# Altium PCB AMS_Master_A1.PcbDoc (part 2 of 2)
Units mm, origin at the board's own origin, x right, y up, seen from the top; angles counter-clockwise.
Board outline 126.75 x 132.97 mm, 4 copper layers (Top Layer, Int1 (GND), Int2 (PWR), Bottom Layer), stack 1.369 mm thick; 198 components, 135 nets, 657 pads, 334 vias.
Unrouted connection lines stored in the file: 1.
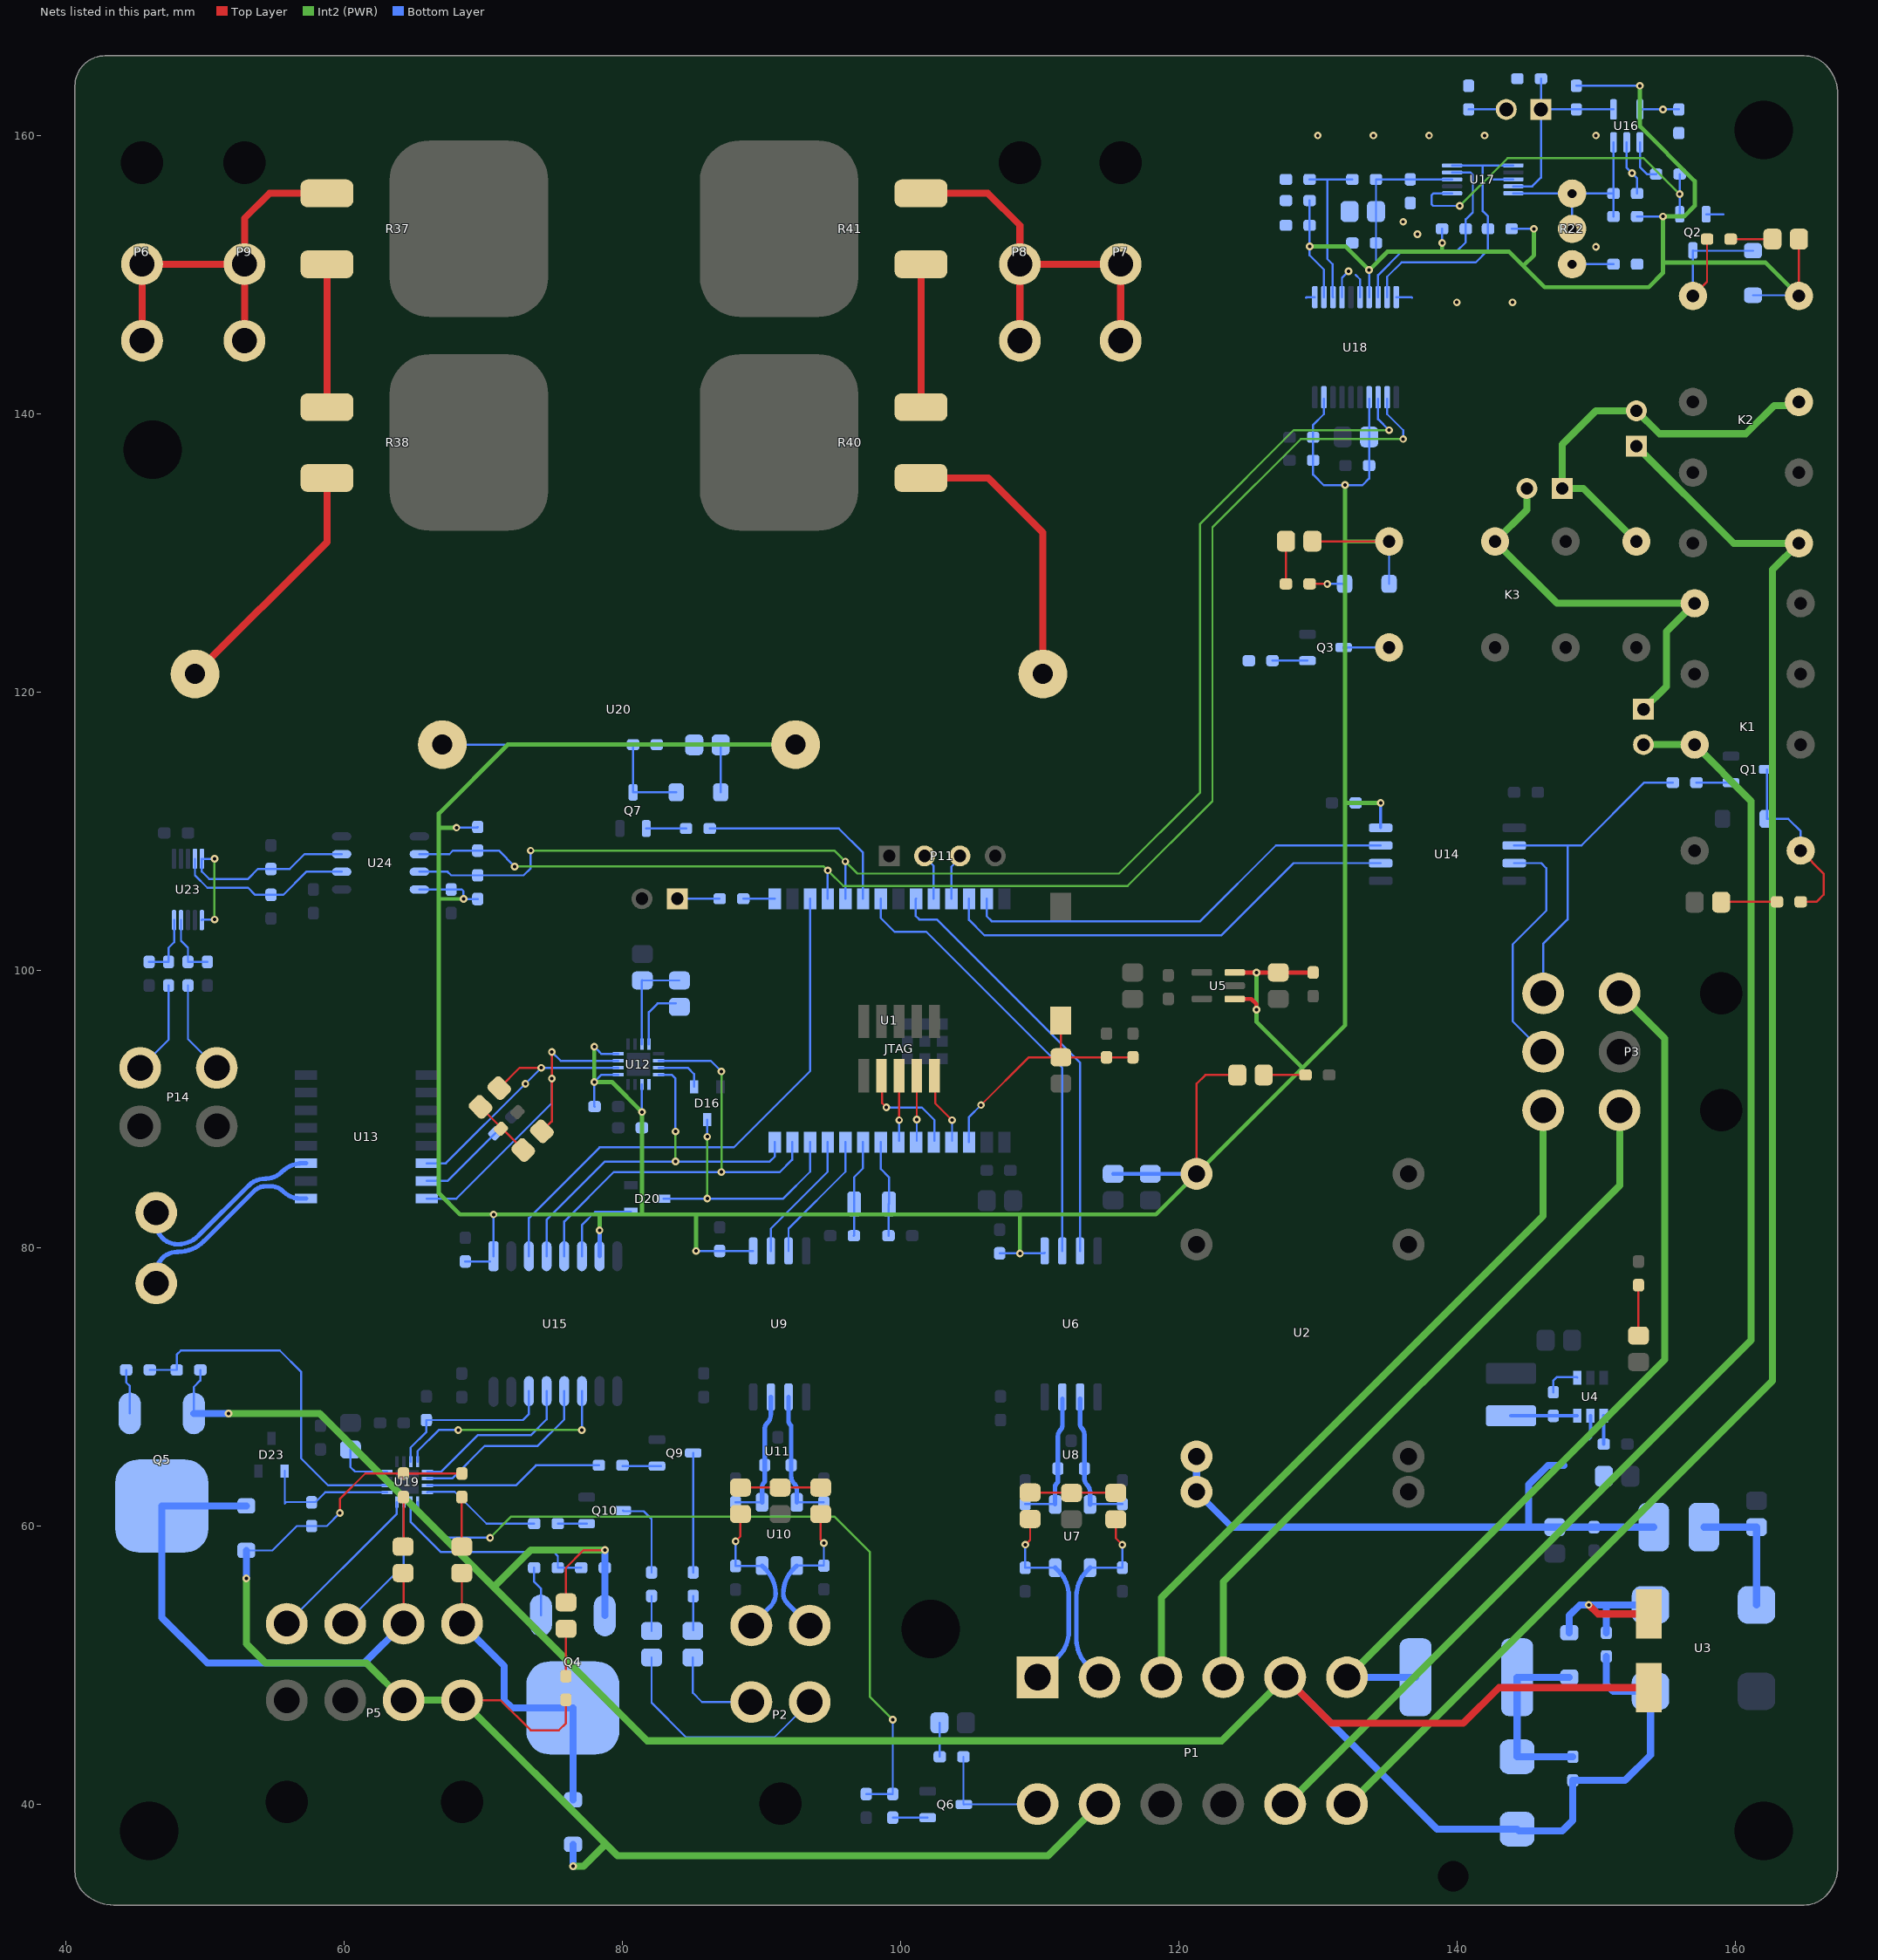
[diagram p4: the nets of this part, all layers, seen from the top]

## Via types
v1: diameter 0.55, hole 0.25, Top Layer to Bottom Layer, 334 vias

## Nets (pads, with @x,y where several pads share a name; then routed paths per layer and width w, separated by ;. In a path a pad name is that pad's centre, name@x,y a point inside that pad or via, vN(x,y) a via of type N, cw(c..) or ccw(c..) an arc to the next point about the centre after c; other vN are vias at no path point) (continued)
"5V (ISO)": C1.2 C2.2 C12.2 C13.2 C19.2 C26.2 C32.2 C33.2 C37.2 C38.2 C48.2 C49.2 C50.2 C51.2 C54.2 D2.A D9.A D10.K D17.A D18.K K3.16 R55.2 R56.2 U2.14 U5.1 U5.3 U6.1 U9.1 U12.6 U12.9 U12.12 U14.8 U15.1 U15.7 U18.4 U18.9 U20.2 U24.8 | length 291.9
  Top Layer w0.152: U2.14@121.285,85.344 121.285,91.821 121.92,92.456 D2.A@124.211,92.456 ; D9.A@129.613,130.836 129.639,130.81 K3.16@135.128,130.81
  Top Layer w0.305: U5.1@124.028,97.922 125.217,97.922 125.574,97.565 125.574,97.171 v1(125.591,97.155) ; U5.3@124.028,99.822 v1(125.591,99.822) C12.2@127.153,99.822 C13.2@129.667,99.822
  Int2 (PWR) w0.152: 66.802,105.156 66.851,105.107
  Int2 (PWR) w0.254: 66.851,105.107 v1(68.58,105.107)
  Int2 (PWR) w0.305: v1(68.072,110.236) 66.802,110.236 ; v1(77.978,94.488) v1(77.978,91.948) 79.248,91.948 v1(81.407,89.789) 81.407,82.423 ; v1(78.359,81.28) 78.359,82.423 ; v1(85.301,79.799) v1@85.344,79.842 ; v1@85.301,79.842 85.301,82.423 ; U20.2@92.456,116.205 71.755,116.205 66.802,111.252 66.802,110.236 ; v1(108.585,79.629) 108.585,82.423 ; v1(125.591,99.822) v1(125.591,97.155) 125.591,96.278 128.778,93.091 ; v1(131.953,134.874) 131.953,130.81 ; v1@134.493,112.014 131.953,112.014 ; K3.16@135.128,130.81 131.953,130.81 ; 66.802,110.236 66.802,105.156 66.802,83.947 68.326,82.423 v1(70.739,82.423) 78.359,82.423 ; 78.359,82.423 81.407,82.423 ; 81.407,82.423 85.301,82.423 ; 85.301,82.423 108.585,82.423 ; 108.585,82.423 118.364,82.423 U2.14@121.285,85.344 131.953,96.012 131.953,112.014 ; 131.953,112.014 131.953,130.81
  Bottom Layer w0.152: U24.8@65.405,105.791 C54.2@67.691,105.791 68.453,105.791 68.58,105.664 v1(68.58,105.107) R55.2@69.596,105.107 ; v1(68.072,110.236) 69.547,110.236 R56.2@69.596,110.285 ; C38.2@68.707,79.045 U15.1@70.485,79.045 ; U15.1@70.739,79.426 v1(70.739,82.423) ; v1(77.978,94.488) 78.359,94.107 78.359,94.096 78.481,93.974 79.697,93.974 U12.12@79.703,93.968 ; C32.2@78.003,90.182 77.978,90.207 v1(77.978,91.948) 78.498,92.468 U12.9@79.703,92.468 ; C33.2@81.403,88.658 U12.6@81.403,91.768 ; v1(85.301,79.799) C26.2@86.995,79.799 U9.1@89.408,79.799 ; D18.K@87.071,112.776 D17.A@87.071,116.049 ; D17.A@87.071,116.205 U20.2@92.456,116.205 ; C19.2@107.124,79.629 v1(108.585,79.629) 110.32,79.629 U6.1@110.363,79.672 ; U18.9@130.44,141.053 130.44,139.965 129.667,139.192 C50.2@129.667,138.303 C51.2@129.667,136.652 129.667,135.622 130.429,134.86 133.209,134.86 133.69,135.341 C48.2@133.69,136.271 C49.2@133.69,138.329 U18.4@133.69,141.053 ; D10.K@135.128,127.762 K3.16@135.128,130.81
  Bottom Layer w0.203: C37.2@132.715,112.014 v1(134.519,112.014) U14.8@134.519,110.224
  Bottom Layer w0.254: C2.2@115.29,85.344 C1.2@117.957,85.344 U2.14@120.904,85.344
  Bottom Layer w0.305: U15.7@78.359,79.426 v1(78.359,81.28)
AIR+: D12.A D15.K P5.4 Q5.D | length 37.7
  Top Layer w0.152: D15.K@64.236,56.642 64.271,56.607 P5.4@64.271,52.998
  Bottom Layer w0.508: D12.A@52.959,61.468 Q5.D@46.89,61.468 46.89,53.44 50.165,50.165 61.438,50.165 P5.4@64.271,52.998
AIR-: D11.A D14.K P5.2 Q4.D | length 22.2
  Top Layer w0.152: P5.2@68.462,53.007 D14.K@68.462,56.633
  Top Layer w0.508: D14.K@68.453,56.642 D14.K@68.462,56.633 ; P5.2@68.462,53.007 P5.2@68.471,52.998
  Bottom Layer w0.508: P5.2@68.471,52.998 71.501,49.968 71.501,47.498 72.055,46.944 Q4.D@76.44,46.944 76.454,46.93 D11.A@76.454,40.335
AIR_PWR_HEADER: D11.K D12.K P1.11 P5.1 P5.3 R28.2 R29.2 R43.2 R44.2 | length 109.2
  Top Layer w0.152: v1(59.69,60.96) 59.69,61.976 61.517,63.803 R29.2@64.262,63.803 R28.2@68.458,63.803 ; P5.1@68.471,47.498 71.247,47.498 73.406,45.339 75.438,45.339 75.946,45.847 R43.2@75.946,47.524 R43.2@75.92,47.498
  Int2 (PWR) w0.508: v1(52.959,56.261) 52.959,51.562 54.356,50.165 61.604,50.165 P5.3@64.271,47.498 P5.1@68.471,47.498 78.812,37.157 ; v1(76.454,35.56) 77.216,35.56 78.812,37.157 ; P1.11@114.305,40.029 110.598,36.322 79.647,36.322 78.812,37.157
  Bottom Layer w0.152: D12.K@52.959,58.268 54.839,58.268 56.593,60.022 R44.2@57.658,60.022 58.752,60.022 v1(59.69,60.96)
  Bottom Layer w0.508: v1(52.959,56.261) D12.K@52.959,58.268 ; v1(76.454,35.56) D11.K@76.454,37.135
BOOT0: BOOT.1 R2.2 | length 3
  Bottom Layer w0.152: BOOT.1@83.947,105.124 R2.2@86.995,105.124
CAN1_N: C22.2 P1.2 R5.1 U7.2 | length 14.8
  Top Layer w0.152: R5.1@115.469,60.506 115.469,59.156 v1(115.951,58.674)
  Bottom Layer w0.152: U7.2@113.625,57.023 C22.2@115.951,57.023 v1(115.951,58.674)
  Bottom Layer w0.33: U7.2@113.625,57.023 113.394,56.792 ccw(c115.19,54.996) 112.65,54.996 112.65,51.856 ccw(c115.19,51.856) 113.394,50.06 P1.2@114.305,49.149
CAN1_P: C21.2 P1.1 R4.2 U7.1 | length 14.8
  Top Layer w0.152: v1(108.979,58.687) 109.321,59.029 R4.2@109.321,60.53
  Bottom Layer w0.152: v1(108.979,58.687) 108.972,58.68 108.972,57.029 C21.2@108.966,57.023 U7.1@111.125,57.023
  Bottom Layer w0.33: P1.1@109.855,49.149 111.356,50.65 ccw(c109.56,52.446) 112.1,52.446 112.1,54.996 ccw(c109.56,54.996) 111.356,56.792 U7.1@111.125,57.023
CAN1_RX: U1.23 U6.3 | length 31
  Bottom Layer w0.152: U1.23@101.117,105.124 101.092,105.099 101.092,103.886 101.346,103.632 102.616,103.632 112.903,93.345 U6.3@112.903,79.799
CAN1_TX: U1.21 U6.2 | length 32.1
  Bottom Layer w0.152: U1.21@98.577,105.124 98.577,103.734 99.568,102.743 101.854,102.743 111.633,92.964 U6.2@111.633,79.799
CAN1F_N: C23.2 U6.6 U7.3 U8.1 | length 10.1
  Bottom Layer w0.152: U7.3@113.625,61.573 113.647,61.595 C23.2@115.951,61.595
  Bottom Layer w0.33: U6.6@112.903,69.172 112.903,67.363 ccw(c113.337,67.363) 113.03,67.056 cw(c112.576,66.602) 113.218,66.602 U8.1@113.218,64.151 113.218,63.458 ccw(c113.877,63.458) 113.411,62.992 cw(c112.894,62.475) 113.625,62.475 U7.3@113.625,61.573
CAN1F_P: C24.2 U6.7 U7.4 U8.2 | length 9.9
  Bottom Layer w0.152: C24.2@108.966,61.595 U7.4@111.103,61.595
  Bottom Layer w0.33: U7.4@111.103,61.595 111.103,62.759 cw(c111.612,62.759) 111.252,63.119 ccw(c111.093,63.278) 111.318,63.278 U8.2@111.318,64.151 111.318,66.475 cw(c111.96,66.475) 111.506,66.929 ccw(c111.199,67.236) 111.633,67.236 U6.7@111.633,69.172
CAN2_N: C29.2 P2.2 R7.1 U10.2 | length 11.1
  Top Layer w0.152: R7.1@94.26,60.887 94.26,59.029 v1(94.488,58.801)
  Bottom Layer w0.152: U10.2@92.543,57.172 C29.2@94.488,57.172 v1(94.488,58.801)
  Bottom Layer w0.33: U10.2@92.543,57.172 92.312,56.941 ccw(c94.108,55.145) 91.568,55.145 ccw(c92.461,55.145) 91.83,54.513 P2.2@93.472,52.871
CAN2_P: C28.2 P2.4 R6.2 U10.1 | length 11.1
  Top Layer w0.152: v1(88.138,58.928) 88.493,59.283 R6.2@88.493,60.887
  Bottom Layer w0.152: v1(88.138,58.928) C28.2@88.138,57.15 90.021,57.15 U10.1@90.043,57.172
  Bottom Layer w0.33: P2.4@89.272,52.871 90.645,54.244 ccw(c89.744,55.145) 91.018,55.145 ccw(c88.478,55.145) 90.274,56.941 U10.1@90.043,57.172
CAN2_RX: U1.10 U9.3 | length 9.5
  Bottom Layer w0.152: U9.3@91.948,79.799 91.948,81.407 96.037,85.496 U1.10@96.037,87.624
CAN2_TX: U1.11 U9.2 | length 9.5
  Bottom Layer w0.152: U9.2@90.678,79.799 90.678,81.407 94.767,85.496 U1.11@94.767,87.624
CAN2F_N: C30.2 U9.6 U10.3 U11.1 | length 9.7
  Bottom Layer w0.152: U10.3@92.543,61.722 C30.2@94.488,61.722
  Bottom Layer w0.33: U9.6@91.948,69.299 91.948,67.617 ccw(c92.382,67.617) 92.075,67.31 cw(c91.928,67.163) 92.136,67.163 U11.1@92.136,64.405 92.136,63.585 ccw(c92.795,63.585) 92.329,63.119 cw(c91.812,62.602) 92.543,62.602 U10.3@92.543,61.722
CAN2F_P: C31.2 U9.7 U10.4 U11.2 | length 9.7
  Bottom Layer w0.152: C31.2@88.138,61.722 U10.4@90.043,61.722
  Bottom Layer w0.33: U10.4@90.043,61.722 90.043,62.812 cw(c90.477,62.812) 90.17,63.119 ccw(c90.011,63.278) 90.236,63.278 U11.2@90.236,64.405 90.236,66.983 cw(c90.878,66.983) 90.424,67.437 ccw(c89.811,68.05) 90.678,68.05 U9.7@90.678,69.299
Charge_En: D22.A P2.1 | length 16.7
  Bottom Layer w0.152: D22.A@82.101,50.576 82.101,47.312 84.582,44.831 90.932,44.831 P2.1@93.472,47.371
Charge_Ready: D21.A P2.3 | length 7
  Bottom Layer w0.152: D21.A@85.064,50.576 85.064,48.032 85.725,47.371 P2.3@89.272,47.371
"CHASSIS REF": P1.4 P3.5 | length 52.6
  Int2 (PWR) w0.508: P1.4@123.205,49.149 123.205,56.022 151.704,84.521 P3.5@151.704,89.916
CLK_ADC: U15.13 U19.13 | length 12.2
  Bottom Layer w0.152: U19.13@65.978,63.943 66.991,63.943 69.596,66.548 73.406,66.548 74.549,67.691 U15.13@74.549,69.724
CS_ADC: R19.1 U15.14 U19.11 | length 12.7
  Bottom Layer w0.152: U19.11@64.778,64.643 64.778,65.667 65.913,66.802 R19.1@65.913,67.642 72.849,67.642 73.279,68.072 U15.14@73.279,69.724
dIP_AIR+_FB: P5.8 U19.4 | length 12
  Bottom Layer w0.152: P5.8@55.871,52.998 63.778,60.905 U19.4@63.778,61.743
dIP_AIR-_FB: P5.6 U19.3 | length 10.5
  Bottom Layer w0.152: P5.6@60.071,52.998 64.278,57.205 U19.3@64.278,61.743
dIP_IMD_DATA: U1.26 U14.6 | length 33.7
  Bottom Layer w0.152: U1.26@104.927,105.124 104.927,103.607 106.045,102.489 123.063,102.489 128.258,107.684 U14.6@134.519,107.684
dIP_IMD_OK: U1.27 U14.7 | length 32
  Bottom Layer w0.152: U1.27@106.197,105.124 106.197,103.861 106.553,103.505 121.539,103.505 126.988,108.954 U14.7@134.519,108.954
dIP_SPI_MISO: D16.K D20.K U1.12 | length 19.1
  Int2 (PWR) w0.152: v1(86.106,83.566) v1(86.106,88.011)
  Bottom Layer w0.152: D20.K@82.963,83.566 v1(86.106,83.566) 91.567,83.566 93.497,85.496 U1.12@93.497,87.624 ; v1(86.106,88.011) D16.K@86.106,89.249
"DISCHARGE DISABLE": P1.12 Q6.D R30.2 | length 8.8
  Bottom Layer w0.152: R30.2@104.521,43.434 104.521,40.035 Q6.D@104.551,40.005 104.563,40.017 109.843,40.017 P1.12@109.855,40.029
dOP_AIR+: R32.1 R35.1 U19.6 | length 25.9
  Bottom Layer w0.152: R32.1@46.023,71.247 R35.1@47.957,71.247 47.957,72.341 48.26,72.644 55.372,72.644 56.896,71.12 56.896,64.897 58.85,62.943 U19.6@63.078,62.943
dOP_AIR-: R31.1 R34.1 U19.2 | length 15.6
  Bottom Layer w0.152: U19.2@64.778,61.743 64.77,61.735 64.77,60.325 66.929,58.166 75.057,58.166 75.36,57.863 R31.1@75.36,57.023 R34.1@77.04,57.023
dOP_CHARGE_EN: R52.1 U19.16 | length 8.6
  Bottom Layer w0.152: U19.16@65.978,62.443 66.019,62.484 67.945,62.484 70.231,60.198 R52.1@73.66,60.198
dOP_CHARGE_RDY: R50.1 U19.15 | length 12.9
  Bottom Layer w0.152: U19.15@65.978,62.943 72.341,62.943 73.787,64.389 R50.1@78.31,64.389
"dOP_DISCHARGE DISABLE": R33.1 R36.1 U19.1 | length 55.7
  Int2 (PWR) w0.152: v1(70.485,59.182) 72.009,60.706 95.25,60.706 97.79,58.166 97.79,47.752 v1(99.441,46.101)
  Bottom Layer w0.152: U19.1@65.278,61.743 65.278,60.96 67.056,59.182 v1(70.485,59.182) ; R36.1@97.536,40.755 R33.1@99.441,40.755 v1(99.441,46.101)
dOP_isoSPI_nSS: U12.5
dOP_PRECHARGE_RLY: R42.1 U1.20 | length 15.1
  Bottom Layer w0.152: R42.1@86.282,110.176 95.564,110.176 97.307,108.433 U1.20@97.307,105.124
dOP_SPI_MOSI: U1.13 U12.2 U15.5 | length 34.1
  Int2 (PWR) w0.152: v1(87.122,85.471) v1(87.122,92.71)
  Bottom Layer w0.152: U15.5@75.819,79.426 75.819,81.915 79.375,85.471 91.313,85.471 92.202,86.36 92.202,87.599 U1.13@92.227,87.624 ; U12.2@82.603,93.468 86.364,93.468 v1(87.122,92.71)
dOP_SPI_nSS: U1.17 U15.3 | length 39.7
  Bottom Layer w0.152: U15.3@73.279,79.426 73.279,82.169 78.359,87.249 88.011,87.249 93.497,92.735 U1.17@93.497,105.124
dOP_SPI_SCK: U1.14 U12.4 U15.4 | length 29.2
  Int2 (PWR) w0.152: v1(83.82,86.233) v1(83.82,88.392)
  Bottom Layer w0.152: U15.4@74.549,79.426 74.549,82.042 78.74,86.233 v1(83.82,86.233) 90.601,86.233 90.957,86.589 U1.14@90.957,87.624 ; U12.4@82.603,92.468 83.554,92.468 83.82,92.202 v1(83.82,88.392)
GL_IN: IMD.2 K1.13 P1.8 | length 95.6
  Int2 (PWR) w0.508: P1.8@127.63,39.854 161.163,73.387 161.163,112.141 K1.13@157.099,116.205 IMD.2@153.416,116.205
GL_IN_2: AMS.2 IMD.1 K1.9 K3.13 | length 30.1
  Int2 (PWR) w0.508: AMS.2@145.034,134.62 145.034,133.096 K3.13@142.748,130.81 147.193,126.365 K1.9@157.099,126.365 155.067,124.333 155.067,120.396 IMD.1@153.416,118.745
GL_OUT: K2.9 P1.7 PDOC.1 | length 118.9
  Int2 (PWR) w0.508: P1.7@132.08,39.854 162.687,70.461 162.687,128.778 K2.9@164.592,130.683 159.893,130.683 PDOC.1@152.908,137.668
GL_PDOC_IN: AMS.1 K2.13 K3.9 PDOC.2 | length 29.7
  Int2 (PWR) w0.508: K3.9@152.908,130.81 149.098,134.62 AMS.1@147.574,134.62 147.574,137.795 149.987,140.208 PDOC.2@152.908,140.208 154.559,138.557 160.782,138.557 162.814,140.589 164.338,140.589 K2.13@164.592,140.843
GLV+: F1.1 P1.6 P3.1 | length 64.9
  Int2 (PWR) w0.508: P1.6@132.105,49.149 154.94,71.984 154.94,95.08 P3.1@151.704,98.316
  Bottom Layer w0.508: P1.6@132.105,49.149 F1.1@137.033,49.149
GLV-: C6.1 C7.1 C8.1 D3.A D19.K P1.5 Q4.S Q5.S R34.2 R35.2 U3.4 | length 186.4
  Top Layer w0.152: D19.K@75.946,54.532 75.946,57.023 77.216,58.293 v1(78.74,58.293)
  Top Layer w0.508: P1.5@127.655,49.149 130.957,45.847 140.462,45.847 143.019,48.404 C8.1@153.797,48.404
  Int2 (PWR) w0.508: v1(51.689,68.118) 58.247,68.118 70.739,55.626 ; v1(78.74,58.293) 73.406,58.293 70.739,55.626 ; P1.5@127.655,49.149 123.083,44.577 81.788,44.577 70.739,55.626
  Bottom Layer w0.152: Q5.S@49.19,68.118 49.19,70.018 49.657,70.485 R35.2@49.657,71.247
  Bottom Layer w0.508: Q5.S@49.19,68.118 v1(51.689,68.118) ; Q4.S@78.74,53.594 R34.2@78.74,57.023 v1(78.74,58.293) ; P1.5@127.655,49.149 138.57,38.234 D3.A@144.333,38.234 144.467,38.1 147.574,38.1 148.336,38.862 C6.1@148.336,41.734 152.097,41.734 153.924,43.561 U3.4@153.924,48.136 151.254,48.136 150.749,48.641 C7.1@150.749,50.649
"GLV- REF": P1.3 P3.6 | length 52.1
  Int2 (PWR) w0.508: P1.3@118.755,49.149 118.755,54.874 146.204,82.323 P3.6@146.204,89.916
GND_PDOC: C39.1 C41.1 C42.1 C43.1 C44.2 C45.2 C46.1 C47.1 Q2.S R20.1 R23.1 R27.1 U16.2 U17.3 U18.11 U18.14 U18.16 U18.20 | length 12.3
  Bottom Layer w0.152: 129.159,148.336 129.203,148.38 U18.11@129.79,148.38 ; U18.14@131.74,148.38 131.74,149.774 v1(132.207,150.241) ; 132.715,149.987 133.04,149.662 U18.16@133.04,148.38 ; U18.20@135.64,148.38 136.735,148.38 136.779,148.336 ; 142.621,156.845 U17.3@144.059,156.845 ; U16.2@152.212,159.512 152.212,157.668 152.962,156.918 C42.1@152.962,155.829 ; Q2.S@157.922,154.335 159.161,154.335
  other v1: 140,148 144,148 150,152 137.16,152.908 136.144,153.797 152.587,157.293 130,160 134,160 138,160 142,160 150,160
H_REF: P14.4 R53.1 | length 6.8
  Bottom Layer w0.152: R53.1@48.768,98.884 48.768,95.035 P14.4@50.839,92.964
HIGH_REF: C52.2 R53.2 U23.4 | length 4.6
  Bottom Layer w0.152: U23.4@48.268,103.591 48.268,102.1 48.768,101.6 R53.2@48.768,100.584 C52.2@50.165,100.584
"HV Battery+": P7.1 P7.2 P8.1 P8.2 R41.2 | length 29.1
  Top Layer w0.508: R41.2@101.473,155.839 106.289,155.839 108.585,153.543 P8.1@108.585,150.749 ; P8.2@108.585,145.249 P8.1@108.585,150.749 ; P7.2@115.824,145.249 P7.1@115.824,150.749 P8.1@108.585,150.749
"HV MC+": P6.1 P6.2 P9.1 P9.2 R37.1 | length 28.3
  Top Layer w0.508: P6.2@45.466,145.249 P6.1@45.466,150.749 P9.1@52.832,150.749 ; P9.2@52.832,145.249 P9.1@52.832,150.749 ; R37.1@58.761,155.839 54.62,155.839 52.832,154.051 P9.1@52.832,150.749
I2C1_SCL: R56.1 U1.18 U18.2 U24.6 | length 102.1
  Int2 (PWR) w0.152: v1(72.263,107.442) 94.479,107.442 94.758,107.163 v1(94.767,107.163) 95.885,106.045 116.332,106.045 122.428,112.141 122.428,131.826 128.778,138.176 v1(136.144,138.176)
  Bottom Layer w0.152: U24.6@65.405,108.331 67.564,108.331 67.818,108.585 R56.1@69.596,108.585 71.12,108.585 v1(72.263,107.442) ; U1.18@94.767,105.124 v1(94.767,107.163) ; U18.2@134.99,141.053 134.99,139.965 136.144,138.811 v1(136.144,138.176)
I2C1_SDA: R55.1 U1.19 U18.3 U24.7 | length 101.7
  Int2 (PWR) w0.152: v1(73.406,108.585) 95.25,108.585 96.901,106.934 115.697,106.934 121.539,112.776 121.539,132.08 128.27,138.811 v1(135.128,138.811)
  Bottom Layer w0.152: U24.7@65.405,107.061 67.437,107.061 67.691,106.807 R55.1@69.596,106.807 72.898,106.807 73.406,107.315 v1(73.406,108.585) ; U1.19@96.037,105.124 v1(96.037,107.798) ; U18.3@134.34,141.053 134.34,139.599 v1(135.128,138.811)
"IMD Data": P3.4 U14.3 | length 17.6
  Bottom Layer w0.152: U14.3@144.119,107.684 146.062,107.684 146.431,107.315 146.431,104.267 144.018,101.854 144.018,96.302 P3.4@146.204,94.116
"IMD OK": P3.2 R13.1 U14.2 | length 24.6
  Bottom Layer w0.152: U14.2@144.119,108.954 147.955,108.954 ; P3.2@146.204,98.316 146.204,101.881 147.955,103.632 147.955,108.954 ; R13.1@155.526,113.477 153.482,113.477 148.959,108.954 147.955,108.954
ISO_SPI_N: P4.2 U13.1 | length 14.4
  Bottom Layer w0.33: P4.2@46.482,77.47 46.482,78.211 cw(c48.006,78.211) 48.006,79.735 48.048,79.735 ccw(c48.048,82.381) 49.919,80.51 53.516,84.107 cw(c54.356,83.267) 54.356,84.455 54.706,84.455 cw(c54.706,83.154) 55.626,84.074 ccw(c56.852,85.3) 56.852,83.566 U13.1@57.245,83.566
ISO_SPI_P: P4.1 U13.3 | length 14.5
  Bottom Layer w0.33: P4.1@46.482,82.55 46.482,81.809 ccw(c48.006,81.809) 48.006,80.285 48.048,80.285 ccw(c48.048,82.381) 49.53,80.899 53.127,84.496 cw(c54.356,83.267) 54.356,85.005 54.374,85.005 ccw(c54.374,86.596) 55.499,85.471 cw(c57.032,83.938) 57.032,86.106 U13.3@57.245,86.106
isoSPI_N: R11.1 U12.10 U13.14 | length 20.2
  Top Layer w0.152: R11.1@71.147,91.504 72.607,92.964 v1(74.168,92.964)
  Bottom Layer w0.152: U13.14@65.945,86.106 67.31,86.106 v1(73.025,91.821) v1(74.168,92.964) 74.17,92.966 79.701,92.966 U12.10@79.703,92.968
isoSPI_P: R10.2 U12.11 U13.16 | length 24.6
  Top Layer w0.152: R10.2@74.215,88.402 74.93,89.117 v1(74.93,92.202) v1(74.93,94.107)
  Bottom Layer w0.152: U13.16@65.945,83.566 68.072,83.566 74.93,90.424 v1(74.93,92.202) ; v1(74.93,94.107) 75.567,93.47 79.701,93.47 U12.11@79.703,93.468
L_REF: P14.3 R54.1 | length 6.8
  Bottom Layer w0.152: P14.3@45.339,92.964 47.371,94.996 R54.1@47.371,98.884
LOW_REF: C53.2 R54.2 U23.5 | length 4.6
  Bottom Layer w0.152: C53.2@45.974,100.584 R54.2@47.371,100.584 47.371,101.6 47.768,101.997 U23.5@47.768,103.591
MISO_ADC: U15.11 U19.12 | length 16
  Int2 (PWR) w0.152: v1(68.199,66.929) v1(77.089,66.929)
  Bottom Layer w0.152: U19.12@65.278,64.643 65.278,65.405 66.802,66.929 v1(68.199,66.929) ; v1(77.089,66.929) U15.11@77.089,69.724
MOSI_ADC: U15.12 U19.14 | length 13.6
  Bottom Layer w0.152: U19.14@65.978,63.443 67.761,63.443 70.104,65.786 73.914,65.786 75.819,67.691 U15.12@75.819,69.724
NetC3_2: C3.2 L1.2 U3.2 | length 9.4
  Bottom Layer w0.508: L1.2@157.756,59.944 C3.2@161.544,59.944 U3.2@161.544,54.356
NetC6_2: C6.2 D1.A D3.K F1.2 | length 13.5
  Bottom Layer w0.508: D1.A@148.082,49.149 F1.2@144.333,49.149 D3.K@144.333,43.434 C6.2@148.336,43.434
NetC10_1: C10.1 L2.2 U4.6 | length 4.8
  Bottom Layer w0.254: L2.2@143.891,67.945 C10.1@146.939,67.945 U4.6@148.656,67.945
NetC10_2: C10.2 U4.1 | length 2.7
  Bottom Layer w0.152: C10.2@146.939,69.645 146.939,70.485 147.193,70.739 148.612,70.739 U4.1@148.656,70.695
NetC20_2: C20.2 R4.1 R5.2 | length 6.2
  Top Layer w0.152: R4.1@109.321,62.43 109.333,62.418 115.457,62.418 R5.2@115.469,62.406
NetC27_2: C27.2 R6.1 R7.2 | length 5.8
  Top Layer w0.152: R6.1@88.493,62.787 C27.2@91.339,62.787 R7.2@94.26,62.787
NetC34_2: C34.2 R10.1 R11.2 | length 4.4
  Top Layer w0.152: R11.2@69.803,90.16 69.803,90.143 72.871,87.075 R10.1@72.871,87.058
NetC35_2: C35.2 U13.15 | length 6.9
  Bottom Layer w0.152: U13.15@65.945,84.836 67.437,84.836 71.247,88.646
NetC39_2: C39.2 P10.2 R18.1 U16.4 U17.4 | length 14.6
  Bottom Layer w0.152: U17.4@144.059,156.345 145.423,156.345 146.05,156.972 P10.2@146.05,161.874 ; C39.2@146.05,164.084 P10.2@146.05,161.874 ; U16.4@151.262,161.874 R18.1@148.59,161.874 P10.2@146.05,161.874
NetC42_2: C42.2 R21.1 R22.1 R22.2 U16.3 U17.5 | length 15.1
  Bottom Layer w0.152: U17.5@144.059,155.845 144.067,155.837 148.277,155.837 R22.1@148.285,155.829 ; R22.2@148.285,153.289 R22.1@148.285,155.829 ; R21.1@151.262,154.178 C42.2@151.262,155.829 ; U16.3@151.262,159.512 C42.2@151.262,155.829 ; R22.1@148.285,155.829 C42.2@151.262,155.829
NetC58_2: C58.2 U19.8 | length 4
  Bottom Layer w0.152: C58.2@60.452,65.532 60.452,64.262 60.771,63.943 U19.8@63.078,63.943
NetD2_K: D2.K R1.2 | length 3
  Top Layer w0.152: D2.K@126.165,92.456 R1.2@129.115,92.456
NetD4_K: D4.K R3.2 | length 3.6
  Top Layer w0.152: D4.K@153.061,73.716 R3.2@153.061,77.343
NetD5_K: D5.K R12.2 | length 4
  Top Layer w0.152: D5.K@158.999,104.876 159.025,104.902 R12.2@163.019,104.902
NetD6_A: D6.A K1.1 Q1.D R12.1 | length 13.5
  Top Layer w0.152: R12.1@164.719,104.902 165.862,104.902 166.37,105.41 166.37,106.934 K1.1@164.719,108.585
  Bottom Layer w0.152: Q1.D@162.306,114.427 D6.A@162.306,110.871 163.83,110.871 164.719,109.982 K1.1@164.719,108.585
NetD7_K: D7.K R15.2 | length 3
  Top Layer w0.152: R15.2@159.688,152.553 D7.K@162.692,152.553
NetD8_A: D8.A K2.1 Q2.D R15.1 | length 12.1
  Top Layer w0.152: K2.1@156.972,148.463 157.988,149.479 R15.1@157.988,152.553
  Bottom Layer w0.152: K2.1@156.972,148.463 Q2.D@156.972,151.735 156.993,151.714 D8.A@161.29,151.714
NetD9_K: D9.K R16.2 | length 3.1
  Top Layer w0.152: R16.2@127.713,127.762 D9.K@127.713,130.836
NetD10_A: D10.A K3.1 Q3.D R16.1 | length 10.4
  Top Layer w0.152: R16.1@129.413,127.762 v1(130.683,127.762)
  Bottom Layer w0.152: v1(130.683,127.762) D10.A@131.928,127.762 131.928,123.262 Q3.D@131.856,123.19 131.928,123.19 K3.1@135.128,123.19
NetD13_A: D13.A R30.1 | length 2.4
  Bottom Layer w0.152: D13.A@102.797,45.873 102.821,45.849 R30.1@102.821,43.434
NetD14_A: D14.A R28.1 | length 3.6
  Top Layer w0.152: D14.A@68.453,58.542 68.458,58.547 R28.1@68.458,62.103
NetD15_A: D15.A R29.1 | length 3.6
  Top Layer w0.152: D15.A@64.236,58.542 64.262,58.568 R29.1@64.262,62.103
NetD16_A: D16.A U12.3 | length 3.7
  Bottom Layer w0.152: U12.3@82.603,92.968 84.705,92.968 85.156,92.517 D16.A@85.156,91.599
NetD17_K: D17.K R39.2 | length 2.7
  Bottom Layer w0.152: R39.2@82.472,116.205 D17.K@85.142,116.205 ; D17.K@85.142,116.218 D17.K@85.168,116.192
NetD18_A: D18.A Q7.D R39.1 U20.3 | length 20.1
  Bottom Layer w0.152: U20.3@67.056,116.205 R39.1@80.772,116.205 ; R39.1@80.772,116.078 Q7.D@80.772,112.776 D18.A@83.871,112.776
NetD19_A: D19.A R43.1 | length 3.4
  Top Layer w0.152: R43.1@75.946,49.224 D19.A@75.946,52.632
NetD20_A: D20.A U15.6 | length 6.2
  Bottom Layer w0.152: U15.6@77.089,79.426 77.089,81.661 78.044,82.616 D20.A@80.613,82.616
NetD21_K: D21.K R49.2 | length 2.5
  Bottom Layer w0.152: D21.K@85.09,52.526 R49.2@85.09,54.991
NetD22_K: D22.K R51.2 | length 2.5
  Bottom Layer w0.152: D22.K@82.101,52.476 R51.2@82.101,54.991
NetD23_A: D23.A R44.1 U19.5 | length 10
  Bottom Layer w0.152: D23.A@55.727,63.976 55.727,61.644 55.831,61.748 57.938,61.748 58.633,62.443 U19.5@63.078,62.443
NetP10_1: P10.1 R20.2 | length 2.7
  Bottom Layer w0.152: R20.2@140.843,161.876 140.845,161.874 P10.1@143.55,161.874
NetQ1_G: Q1.G R13.2 | length 2.5
  Bottom Layer w0.152: R13.2@157.226,113.477 Q1.G@159.706,113.477
NetQ3_G: Q3.G R17.2 | length 2.5
  Bottom Layer w0.152: R17.2@126.746,122.24 Q3.G@129.256,122.24
NetQ4_G: Q4.G R31.2 | length 3.6
  Bottom Layer w0.152: R31.2@73.66,57.023 73.66,56.007 74.14,55.527 Q4.G@74.14,53.594
NetQ5_G: Q5.G R32.2 | length 3.2
  Bottom Layer w0.152: R32.2@44.323,71.247 44.323,70.358 44.59,70.091 Q5.G@44.59,68.118
NetQ6_G: Q6.G R33.2 | length 2.5
  Bottom Layer w0.152: R33.2@99.441,39.055 Q6.G@101.951,39.055
NetQ7_G: Q7.G R42.2 | length 2.9
  Bottom Layer w0.152: Q7.G@81.722,110.176 R42.2@84.582,110.176
NetQ9_D: Q9.D R49.1 | length 8.6
  Bottom Layer w0.152: R49.1@85.09,56.691 Q9.D@85.09,65.278
NetQ9_G: Q9.G R50.2 | length 2.8
  Bottom Layer w0.152: R50.2@80.01,64.328 Q9.G@82.49,64.328 Q9.G@82.774,64.328
NetQ10_D: Q10.D R51.1 | length 6.1
  Bottom Layer w0.152: Q10.D@80.04,61.146 80.099,61.087 81.534,61.087 82.101,60.52 R51.1@82.101,56.691
NetQ10_G: Q10.G R52.2 | length 2.1
  Bottom Layer w0.152: R52.2@75.361,60.197 77.439,60.197 Q10.G@77.44,60.196
NetR2_1: R2.1 U1.15 | length 2.3
  Bottom Layer w0.152: R2.1@88.695,105.124 U1.15@90.957,105.124
NetR8_1: R8.1 U12.16 | length 4.5
  Bottom Layer w0.152: U12.16@81.903,94.668 81.903,96.971 82.53,97.598 R8.1@83.851,97.598
NetR8_2: R8.2 R9.1 U12.15 | length 7.3
  Bottom Layer w0.152: U12.15@81.403,94.668 81.403,99.222 R9.1@81.434,99.253 ; R9.1@81.436,99.251 R8.2@84.098,99.251
NetR14_1: R14.1 U16.1 | length 3.1
  Bottom Layer w0.152: U16.1@153.162,159.512 153.162,157.734 153.67,157.226 R14.1@154.322,157.226
NetR17_1: R17.1
NetR22_3: R22.3 R23.2 | length 3
  Bottom Layer w0.152: R22.3@148.285,150.749 R23.2@151.262,150.749
NetR24_1: R24.1 U17.1 U17.10 U18.19 | length 20.2
  Bottom Layer w0.152: U18.19@134.99,148.38 134.99,149.849 136.017,150.876 141.351,150.876 142.24,151.765 R24.1@142.24,153.289 142.24,154.178 141.859,154.559 141.859,157.845 ; U17.10@139.659,157.845 141.859,157.845 ; U17.1@144.059,157.845 141.859,157.845
NetR25_1: R25.1 U17.9 U18.18 | length 15.5
  Bottom Layer w0.152: U18.18@134.34,148.38 134.34,149.961 136.017,151.638 139.954,151.638 140.638,152.322 140.638,153.973 141.146,154.481 141.146,157.177 140.978,157.345 U17.9@139.659,157.345
NetR37_2: R37.2 R38.1 | length 10.3
  Top Layer w0.508: R38.1@58.761,140.472 R37.2@58.761,150.739
NetR38_2: R38.2 U20.4 | length 18
  Top Layer w0.508: U20.4@49.276,121.285 58.761,130.77 R38.2@58.761,135.372
NetR40_1: R40.1 U20.1 | length 20.5
  Top Layer w0.508: R40.1@101.473,135.372 106.309,135.372 110.236,131.445 U20.1@110.236,121.285
NetR40_2: R40.2 R41.1 | length 10.3
  Top Layer w0.508: R40.2@101.473,140.472 R41.1@101.473,150.739
NetR57_1: R57.1 U23.1 U23.10 U24.3 | length 18.1
  Int2 (PWR) w0.152: v1(50.673,103.632) v1(50.673,107.991)
  Bottom Layer w0.152: U23.1@49.768,103.591 49.809,103.632 v1(50.673,103.632) ; v1(50.673,107.991) U23.10@49.768,107.991 49.768,107.077 50.292,106.553 53.086,106.553 53.795,107.262 R57.1@54.733,107.262 56.081,107.262 57.15,108.331 U24.3@59.817,108.331
NetR58_1: R58.1 U23.9 U24.2 | length 13
  Bottom Layer w0.152: U23.9@49.268,107.991 49.268,106.815 50.165,105.918 53.086,105.918 53.598,105.406 R58.1@54.733,105.406 55.622,105.406 57.277,107.061 U24.2@59.817,107.061
NRST: C61.1 C62.2 R60.2 U1.3 UART.1 | length 18
  Top Layer w0.152: v1(105.791,90.297) 109.22,93.726 C62.2@111.532,93.726 ; UART.1@111.506,96.357 111.532,96.331 C62.2@111.532,93.726 ; R60.2@116.713,93.726 C61.1@114.808,93.726 C62.2@111.532,93.726
  Bottom Layer w0.152: U1.3@104.927,87.624 104.927,89.433 v1(105.791,90.297)
OSC32_IN: C65.2 U1.8 X1.1 | length 7
  Bottom Layer w0.152: U1.8@98.577,87.644 98.577,85.7 99.167,85.11 X1.1@99.167,83.185 ; C65.2@99.138,80.899 99.153,80.914 X1.1@99.153,83.171
OSC32_OUT: C66.2 U1.9 X1.2 | length 7
  Bottom Layer w0.152: C66.2@96.647,80.899 96.657,80.909 X1.2@96.657,83.175 ; X1.2@96.667,83.185 96.667,85.11 97.307,85.75 U1.9@97.307,87.644
PDOC_OK: Q2.G R14.2 U17.6 | length 25.5
  Int2 (PWR) w0.152: v1(140.208,154.94) 143.637,158.369 153.434,158.369 v1(156.022,155.781)
  Bottom Layer w0.152: U17.6@139.659,155.845 138.319,155.845 138.176,155.702 138.176,155.067 138.303,154.94 v1(140.208,154.94) ; Q2.G@156.022,154.335 v1(156.022,155.781) R14.2@156.022,157.226
TCK: JTAG.4 U1.6 | length 4.7
  Top Layer w0.152: v1(101.168,89.255) JTAG.4@101.168,92.405
  Bottom Layer w0.152: U1.6@101.168,87.72 v1(101.168,89.255)
TDI: JTAG.8 U1.5 | length 7.9
  Top Layer w0.152: JTAG.8@98.679,92.456 98.679,90.424 v1@99.06,90.043
  Bottom Layer w0.152: v1(98.984,90.119) 101.524,90.119 102.438,89.205 U1.5@102.438,87.72
TDO: JTAG.6 U1.7 | length 4.7
  Top Layer w0.152: v1(99.898,89.205) JTAG.6@99.898,92.405
  Bottom Layer w0.152: U1.7@99.898,87.72 v1(99.898,89.205)
TMS: JTAG.2 U1.4 | length 5.3
  Top Layer w0.152: JTAG.2@102.489,92.456 102.489,90.424 v1@103.784,89.129
  Bottom Layer w0.152: U1.4@103.708,87.72 v1(103.708,89.205)
UART_RX: P11.2 U1.24 | length 3.4
  Bottom Layer w0.152: P11.2@101.727,108.204 101.727,108.14 102.387,107.48 U1.24@102.387,105.124
UART_TX: P11.3 U1.25 | length 3.3
  Bottom Layer w0.152: U1.25@103.657,105.124 103.657,107.43 104.267,108.04 P11.3@104.267,108.204
V_SEL: R26.1 R27.2 U18.13 | length 11.7
  Bottom Layer w0.152: R27.2@129.413,156.845 130.683,156.845 ; U18.13@131.09,148.38 131.064,148.406 131.064,150.749 130.683,151.13 130.683,156.845 ; R26.1@132.485,156.845 130.683,156.845
VBAT_D: C7.2 C8.2 D1.K U3.1 | length 14.1
  Top Layer w0.508: v1(149.479,54.356) 149.49,54.356 150.142,53.704 C8.2@153.797,53.704
  Bottom Layer w0.508: D1.K@148.082,52.349 148.082,53.594 148.844,54.356 v1(149.479,54.356) 150.876,54.356 ; C7.2@150.749,52.349 150.749,54.229 150.876,54.356 ; U3.1@153.924,54.356 150.876,54.356
VBAT_F: C4.2 C5.2 C11.2 C16.2 L1.1 U2.22 U2.23 U4.4 U4.5 | length 46.4
  Bottom Layer w0.254: 149.479,66.294 149.606,66.421 U4.5@149.606,67.945 ; C16.2@150.556,65.913 U4.4@150.556,67.945
  Bottom Layer w0.508: U2.22@121.285,65.024 U2.23@121.285,62.484 123.825,59.944 145.161,59.944 ; 147.701,64.389 146.558,64.389 145.161,62.992 145.161,59.944 ; L1.1@154.156,59.944 C5.2@149.86,59.944 C4.2@147.04,59.944 145.161,59.944
VDD_PDOC: C41.2 C43.2 C44.1 C45.1 C46.2 C47.2 D7.A D8.K K2.16 R18.2 R21.2 R24.2 R25.2 R26.2 U16.5 U17.8 U18.12 U18.17 | length 102
  Top Layer w0.152: K2.16@164.592,148.463 D7.A@164.592,152.553
  Int2 (PWR) w0.305: v1(129.413,152.019) 131.998,152.019 v1(133.69,150.327) 135.001,151.638 138.938,151.638 ; v1(138.938,152.273) 138.938,151.638 ; v1(145.542,153.289) 145.542,151.384 144.78,150.622 ; v1(153.162,163.576) 153.162,160.655 157.099,156.718 157.099,154.94 156.337,154.178 v1(154.813,154.178) 154.813,150.876 ; v1(154.813,161.874) v1@154.813,161.925 ; K2.16@164.592,148.463 162.179,150.876 154.813,150.876 ; 138.938,151.638 143.764,151.638 144.78,150.622 ; 144.78,150.622 146.304,149.098 153.797,149.098 154.813,150.114 154.813,150.876
  Bottom Layer w0.152: C46.2@129.413,155.321 C44.1@129.413,153.543 v1(129.413,152.019) 129.413,151.384 130.44,150.357 U18.12@130.44,148.38 ; U18.17@133.69,148.38 v1(133.69,150.327) 134.185,150.822 C47.2@134.185,152.273 C45.1@134.185,154.533 R26.2@134.185,156.845 C43.2@136.652,156.845 U17.8@139.659,156.845 ; v1(138.938,152.273) R25.2@138.938,153.289 ; R24.2@143.94,153.289 v1(145.542,153.289) ; R18.2@148.59,163.574 148.592,163.576 v1(153.162,163.576) U16.5@153.162,161.874 v1(154.813,161.874) C41.2@155.956,161.874 ; R21.2@152.962,154.178 v1(154.813,154.178) ; D8.K@161.29,148.514 164.541,148.514 cw(c164.541,148.463) K2.16@164.592,148.463
pads on no net: D16.2 D20.2 D23.2 JTAG.10 K1.4 K1.6 K1.8 K1.11 K2.4 K2.6 K2.8 K2.11 K3.4 K3.6 K3.8 K3.11 P1.9 P1.10 P1.13 P2. P3. P5. P6. P7. P8. P9. R37. R38. R40. R41. U1.16 U1.22 U2.9 U2.11 U5.4 U12.17 U13.2 U13.4 U13.5 U13.6 U13.7 U13.8 U13.9 U13.10 U13.11 U13.12 U13.13 U17.2 U17.7 U18.6 U18.15 U19.17 U23.2 U23.6 U23.7

## Polygon pours and split planes (outlines as drawn)
"0V (ISO)" on Bottom Layer "5V_TOP_1" (solid, pour order 11): 136.652,142.367 136.652,132.842 136.017,132.207 136.017,92.964 121.031,77.978 64.389,77.978 64.389,116.713 66.04,118.364 93.218,118.364 100.457,111.125 118.364,111.125 118.364,132.334 128.397,142.367
0V on Bottom Layer "5V_TOP_1" (solid, pour order 3): 167.386,142.367 142.748,142.367 142.748,132.842 142.113,132.207 142.113,92.964 123.698,74.549 60.706,74.549 60.706,111.125 40.64,111.125 40.64,35.306 ccw(c43.18,35.306) 43.18,32.766 164.846,32.766 ccw(c164.846,35.306) 167.386,35.306 167.386,39.116
GND_PDOC on Bottom Layer "5V_TOP_1" (solid, pour order 10): 167.386,147.32 128.905,147.32 125.349,150.876 125.349,165.735 164.846,165.735 cw(c164.846,163.195) 167.386,163.195 167.386,162.179
5V on Bottom Layer "5V_TOP_1" (solid, pour order 1): 147.066,74.041 147.066,71.755 145.542,70.231 141.986,70.231 141.859,70.358 141.859,74.041 142.113,74.295 146.812,74.295
VBAT_F on Bottom Layer "5V_TOP_1" (solid, pour order 0): 151.13,66.929 151.257,66.802 151.257,62.738 151.13,62.611 147.193,62.611 147.066,62.738 147.066,66.802 147.193,66.929
"0V (ISO)" on Top Layer "5V_TOP_1" (solid, pour order 14): 136.652,142.367 136.652,132.842 136.017,132.207 136.017,92.964 121.031,77.978 64.389,77.978 64.389,116.713 66.04,118.364 93.218,118.364 100.457,111.125 118.364,111.125 118.364,132.334 128.397,142.367
0V on Top Layer "5V_TOP_1" (solid, pour order 6): 167.386,142.367 142.748,142.367 142.748,132.842 142.113,132.207 142.113,92.964 123.698,74.549 60.706,74.549 60.706,111.125 40.64,111.125 40.64,35.306 ccw(c43.18,35.306) 43.18,32.766 164.846,32.766 ccw(c164.846,35.306) 167.386,35.306 167.386,39.116
GND_PDOC on Top Layer "5V_TOP_1" (solid, pour order 7): 167.386,147.32 128.905,147.32 125.349,150.876 125.349,165.735 164.846,165.735 cw(c164.846,163.195) 167.386,163.195 167.386,162.179
"0V (ISO)" on Int2 (PWR) "5V_TOP_1" (solid, pour order 12): 136.652,142.367 136.652,132.842 136.017,132.207 136.017,92.964 121.031,77.978 64.389,77.978 64.389,116.713 66.04,118.364 93.218,118.364 100.457,111.125 118.364,111.125 118.364,132.334 128.397,142.367
0V on Int2 (PWR) "5V_TOP_1" (solid, pour order 5): 167.386,142.367 142.748,142.367 142.748,132.842 142.113,132.207 142.113,92.964 123.698,74.549 60.706,74.549 60.706,111.125 40.64,111.125 40.64,35.306 ccw(c43.18,35.306) 43.18,32.766 164.846,32.766 ccw(c164.846,35.306) 167.386,35.306 167.386,39.116
GND_PDOC on Int2 (PWR) "5V_TOP_1" (solid, pour order 8): 167.386,147.32 128.905,147.32 125.349,150.876 125.349,165.735 164.846,165.735 cw(c164.846,163.195) 167.386,163.195 167.386,162.179
"0V (ISO)" on Int1 (GND) "5V_TOP_1" (solid, pour order 13): 136.652,142.367 136.652,132.842 136.017,132.207 136.017,92.964 121.031,77.978 64.389,77.978 64.389,116.713 66.04,118.364 93.218,118.364 100.457,111.125 118.364,111.125 118.364,132.334 128.397,142.367
0V on Int1 (GND) "5V_TOP_1" (solid, pour order 4): 167.386,142.367 142.748,142.367 142.748,132.842 142.113,132.207 142.113,92.964 123.698,74.549 60.706,74.549 60.706,111.125 40.64,111.125 40.64,35.306 ccw(c43.18,35.306) 43.18,32.766 164.846,32.766 ccw(c164.846,35.306) 167.386,35.306 167.386,39.116
GND_PDOC on Int1 (GND) "5V_TOP_1" (solid, pour order 9): 167.386,147.32 128.905,147.32 125.349,150.876 125.349,165.735 164.846,165.735 cw(c164.846,163.195) 167.386,163.195 167.386,162.179

## Keep-outs
Keep-Out Layer:
  circle w0.254: c46.228,137.414 r4.8
  circle w0.254: c162.052,160.401 r4.8
  circle w0.254: c162.052,38.1 r4.8
  circle w0.254: c45.974,38.1 r4.8

## Silkscreen, mask and mechanical layers (free items; w line width, h text height)
Top Overlay:
  circle w0.254: c46.228,137.414 r5
  circle w0.254: c45.974,38.1 r5
  circle w0.254: c162.052,38.1 r5
  circle w0.254: c162.052,160.401 r5
  lines w0.254: 60.706,111.125 60.706,74.549 123.698,74.549 128.524,79.375 142.113,92.964 142.113,98.298 142.113,122.047 ; 101.981,111.125 100.457,111.125 93.218,118.364 66.04,118.364 64.389,116.713 64.389,77.978 121.031,77.978 136.017,92.964 136.017,97.663 136.017,122.047 ; 118.491,129.54 118.491,132.461 128.397,142.367 130.302,142.367 ; 125.349,165.608 125.349,150.876 128.905,147.32 167.386,147.32 ; 130.429,142.367 136.652,142.367 136.652,132.842 136.017,132.207 ; 142.113,124.46 142.113,129.54 ; 142.113,132.207 142.748,132.842 142.748,142.367 149.987,142.367 167.386,142.367
  text "BATTERY -" at 56.981,160.904 h2
  text "PDOC REF" at 134.581,148.352 h2
  text "BATTERY +" at 122.306,147.786 h2 r90
  text "RESET" at 114.102,101.235 h2
  text "SPI TERM." at 72.216,82.643 h2
  text "5V" at 154.845,73.803 h2
  text "CAN 2 TERM." at 85.29,64.482 h2
  text "CAN 1 TERM." at 105.991,64.482 h2
  text "AIR-" at 70.144,55.769 h2
  text "AIR+" at 56.809,55.642 h2
  text "AIR PWR" at 71.954,41.39 h2
Bottom Overlay:
  circle w0.254: c46.228,137.414 r5
  circle w0.254: c162.052,38.1 r5
  circle w0.254: c162.052,160.401 r5
  circle w0.254: c45.974,38.1 r5
  lines w0.254: 40.64,111.125 60.706,111.125 60.706,74.549 123.698,74.549 128.524,79.375 142.113,92.964 142.113,98.171 ; 64.389,107.696 64.389,116.713 66.04,118.364 93.218,118.364 100.457,111.125 118.364,111.125 118.364,128.778 118.364,132.334 128.397,142.367 130.302,142.367 ; 64.389,110.871 64.389,77.978 121.031,77.978 136.017,92.964 136.017,100.838 136.017,122.047 ; 125.349,165.608 125.349,150.876 128.905,147.32 167.386,147.32 ; 130.429,142.367 136.652,142.367 136.652,132.842 136.017,132.207 ; 136.017,124.46 136.017,129.54 ; 142.113,98.298 142.113,122.047 ; 142.113,124.46 142.113,129.54 ; 142.113,132.207 142.748,132.842 142.748,142.367 167.386,142.367
  text "BATTERY +" at 122.306,160.595 h2 r90
  text "BATTERY -" at 59.822,160.087 h2 r90
Mechanical 1:
  lines w0.254: 40.64,35.188 ccw(c42.808,35.188) 41.275,33.655 ccw(c43.421,35.801) 43.421,32.766 45.212,32.766 98.425,32.766 162.179,32.766 164.964,32.766 ccw(c164.964,34.934) 166.497,33.401 ccw(c164.351,35.547) 167.386,35.547 167.386,161.417 167.386,162.433 167.386,162.954 ccw(c164.351,162.954) 166.497,165.1 ccw(c164.964,163.567) 164.964,165.735 164.084,165.735 162.052,165.735 43.053,165.735 42.808,165.735 ccw(c42.808,163.567) 41.275,165.1 ccw(c42.808,163.567) 40.64,163.567 40.64,163.322 40.64,86.392 40.64,35.188